# Altium PCB pixracer_pcb_layout_v1.PcbDoc (part 2 of 2)
Units mm, origin at the board's own origin, x right, y up, seen from the top; angles counter-clockwise.
Board outline 44.45 x 44.45 mm, 4 copper layers (Top Layer, Mid Layer 1, Mid Layer 2, Bottom Layer), stack 0.603 mm thick; 143 components, 140 nets, 575 pads, 194 vias.
Unrouted connection lines stored in the file: 12.
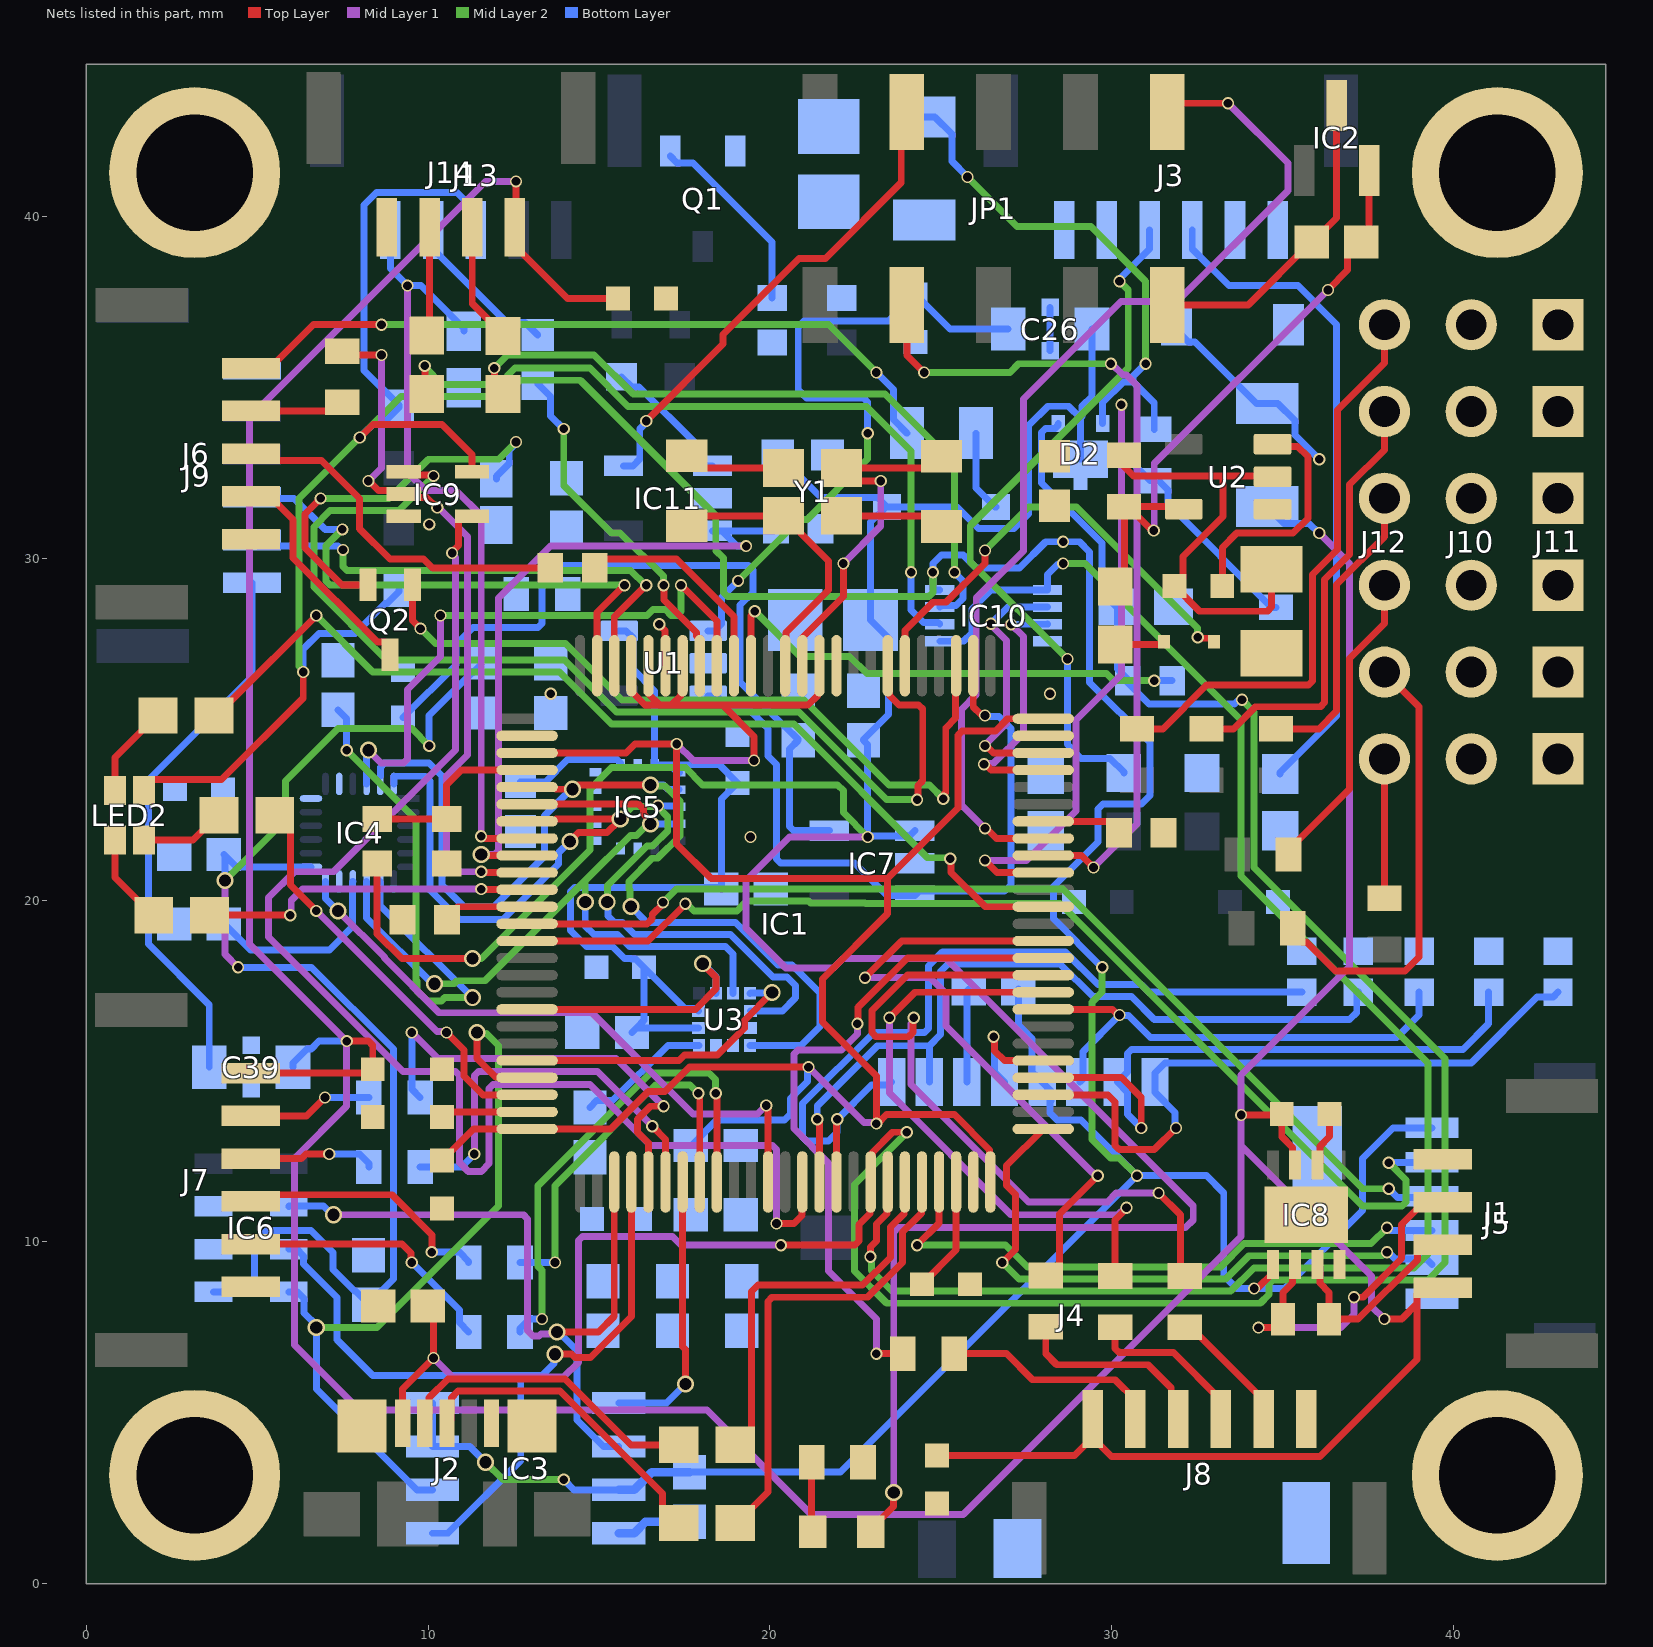
[diagram p4: the nets of this part, all layers, seen from the top]

## Via types
v1: diameter 0.356, hole 0.254, Top Layer to Bottom Layer, 166 vias
v2: diameter 0.5, hole 0.356, Top Layer to Bottom Layer, 28 vias

## Nets (pads, with @x,y where several pads share a name; then routed paths per layer and width w, separated by ;. In a path a pad name is that pad's centre, name@x,y a point inside that pad or via, vN(x,y) a via of type N, cw(c..) or ccw(c..) an arc to the next point about the centre after c; other vN are vias at no path point) (continued)
FMU_LED_BLUE: IC1.89 R50.2 | length 29.2
  Top Layer w0.203: R50.2@3.736,25.4 4.166,25.83 4.24,25.83 v1(6.731,28.321) ; v1(25.273,21.209) 25.302,21.18 25.302,20.808 26.306,19.804 IC1.89@27.997,19.804
  Mid Layer 2 w0.203: v1(6.731,28.321) 8.382,26.67 13.843,26.67 15.367,25.146 20.701,25.146 24.609,21.238 25.244,21.238 v1(25.273,21.209)
FMU_LED_GREEN: IC1.36 R51.2 | length 9.8
  Top Layer w0.203: R51.2@3.609,19.558 v1(5.969,19.558) ; v1(11.557,20.32) 11.573,20.304 IC1.36@12.897,20.304
  Mid Layer 1 w0.203: v1(5.969,19.558) 5.998,19.587 5.998,19.99 6.328,20.32 v1(11.557,20.32)
FMU_LED_RED: IC1.48 R52.2 | length 12.2
  Top Layer w0.203: R52.2@5.514,22.479 5.551,22.479 5.98,22.049 5.98,20.436 v1(6.731,19.685) ; v1(10.541,16.129) 11.049,15.621 11.049,14.859 11.604,14.304 IC1.48@12.897,14.304
  Mid Layer 1 w0.203: v1(6.731,19.685) 10.258,16.158 10.512,16.158 v1(10.541,16.129)
FMU_RC_INPUT: IC1.64 IC9.4 | length 42
  Top Layer w0.203: v1(10.705,30.15) 10.705,30.191 10.888,30.375 10.888,31.129 10.987,31.227 IC9.4@11.287,31.227 ; v1(20.193,10.541) 20.701,10.541 20.937,10.777 20.937,11.744 IC1.64@20.947,11.754
  Mid Layer 1 w0.203: v1(10.705,30.15) 10.705,30.108 10.797,30.016 10.797,24.386 7.239,20.828 6.088,20.828 5.334,20.074 5.334,18.923 9.271,14.986 10.805,14.986 10.924,14.867 10.924,12.317 11.176,12.065 11.557,12.065 11.782,12.29 11.782,14.486 11.901,14.605 14.732,14.605 16.51,12.827 20.074,12.827 20.193,12.708 v1(20.193,10.541)
FMU_SWCLK: IC1.76 J1.5 | length 17.9
  Top Layer w0.203: v1(26.797,9.398) 27.178,9.779 27.178,11.393 26.924,11.647 26.924,12.231 IC1.76@27.997,13.304
  Mid Layer 2 w0.203: v1(26.797,9.398) 27.283,8.912 33.333,8.912 34.016,9.596 37.903,9.596 38.008,9.7 v1(38.049,9.7)
  Bottom Layer w0.203: v1(38.049,9.7) 38.09,9.7 38.291,9.5 39.205,9.5 J1.5@39.37,9.335
FMU_SWDIO: IC1.72 J1.4 | length 18
  Top Layer w0.203: v1(24.305,9.906) 24.947,10.548 IC1.72@24.947,11.754
  Mid Layer 2 w0.203: v1(24.305,9.906) 26.896,9.906 27.537,9.265 33.187,9.265 33.87,9.949 37.584,9.949 v1(38.049,10.414)
  Bottom Layer w0.203: v1(38.049,10.414) 38.09,10.414 38.169,10.335 J1.4@39.37,10.335
FMU_UART7_RX: IC1.38 J1.3 | length 30.7
  Top Layer w0.203: IC1.38@12.897,19.304 16.409,19.304 16.558,19.453 16.558,19.574 16.875,19.891 v1(16.875,19.932)
  Mid Layer 2 w0.203: v1(16.875,19.932) 17.262,20.32 26.701,20.32 28.566,20.32 37.329,11.557 v1(38.1,11.557)
  Bottom Layer w0.203: v1(38.1,11.557) 38.354,11.303 39.338,11.303 J1.3@39.37,11.335
FMU_UART7_TX: IC1.39 J1.2 | length 32.7
  Top Layer w0.203: IC1.39@12.897,18.804 16.44,18.804 v1(17.526,19.89)
  Mid Layer 2 w0.203: v1(17.526,19.89) 17.555,19.861 17.604,19.861 17.78,19.685 19.031,19.685 19.313,19.967 21.133,19.967 21.191,19.909 22.784,19.909 22.793,19.9 28.487,19.9 37.338,11.049 38.489,11.049 38.608,11.168 38.608,11.811 v1(38.1,12.319)
  Bottom Layer w0.203: v1(38.1,12.319) 38.108,12.327 39.362,12.327 J1.2@39.37,12.335
FMU_USART1_RX: IC1.93 JP1.1 | length 30.8
  Top Layer w0.203: v1(26.289,22.098) 26.33,22.098 26.624,21.804 IC1.93@27.997,21.804 ; JP1.1@31.623,43.053 31.877,43.307 v1(33.401,43.307)
  Mid Layer 1 w0.203: v1(26.289,22.098) 25.606,22.781 25.606,25.578 26.035,26.007 26.035,28.829 27.411,30.205 27.411,34.65 30.265,37.504 31.907,37.504 35.151,40.748 35.151,41.557 v1(33.401,43.307)
FMU_USART1_TX: IC1.92 JP1.8 | length 25
  Top Layer w0.203: JP1.8@24.003,37.403 24.003,35.933 24.503,35.433 v1(24.511,35.433) ; IC1.92@27.997,21.304 29.115,21.304 v1(29.464,20.955)
  Mid Layer 1 w0.203: v1(29.464,20.955) 30.734,22.225 30.734,35.052 30.431,35.355 30.322,35.355 29.99,35.687 v1(29.972,35.687)
  Mid Layer 2 w0.203: v1(24.511,35.433) 27.021,35.433 27.275,35.687 v1(29.972,35.687)
FMU_USART2_CTS: IC1.84 R30.1 | length 17.6
  Top Layer w0.203: v1(23.495,16.558) 24.241,17.304 IC1.84@27.997,17.304 ; R30.1@30.099,9.005 30.099,10.648 30.43,10.98 v1(30.43,10.999)
  Mid Layer 1 w0.203: v1(23.495,16.558) 23.494,14.352 27.051,10.795 30.185,10.795 30.389,10.999 v1(30.43,10.999)
FMU_USART2_RTS: IC1.85 R31.1 | length 21.3
  Top Layer w0.203: v1(24.209,16.558) 24.179,16.529 24.179,16.121 24.06,16.002 23.106,16.002 22.987,16.121 22.987,16.764 24.027,17.804 IC1.85@27.997,17.804 ; v1(31.369,11.43) 32.004,10.795 32.004,9.132 R31.1@32.131,9.005
  Mid Layer 1 w0.203: v1(24.209,16.558) 24.179,16.529 24.179,16.432 24.13,16.383 24.13,14.605 27.562,11.174 29.87,11.174 30.127,11.43 v1(31.369,11.43)
FMU_USART2_RX: IC1.87 R29.1 | length 19.1
  Top Layer w0.203: v1(22.783,17.73) 23.856,18.804 IC1.87@27.997,18.804 ; R29.1@28.067,9.017 28.192,9.017 28.466,9.29 28.466,10.813 v1(29.591,11.938)
  Mid Layer 1 w0.203: v1(22.783,17.73) 24.688,17.73 25.146,17.272 25.146,16.311 29.442,12.014 29.473,12.014 29.55,11.938 v1(29.591,11.938)
FMU_USART2_TX: IC1.86 R28.1 | length 19.4
  Top Layer w0.203: v1(22.558,16.383) 22.58,16.406 22.58,16.865 24.019,18.304 IC1.86@27.997,18.304 ; v1(23.114,6.731) R28.1@23.888,6.731
  Mid Layer 1 w0.203: v1(22.558,16.383) 22.558,16.081 22.098,15.621 20.82,15.621 20.701,15.502 20.701,13.317 21.717,12.301 21.717,9.144 23.114,7.747 v1(23.114,6.731)
FMU_USART3_CTS: IC1.58 R26.1 | length 11.4
  Top Layer w0.203: v1(17.907,14.351) 17.907,14.337 17.947,14.297 IC1.58@17.947,11.754
  Mid Layer 2 w0.203: v1(13.716,9.398) 13.716,11.644 16.657,14.585 17.659,14.585 17.893,14.351 v1(17.907,14.351)
  Bottom Layer w0.203: R26.1@12.688,9.398 v1(13.716,9.398)
FMU_USART3_RTS: IC1.59 R27.1 | length 14.5
  Top Layer w0.203: v1(18.415,14.351) 18.415,14.337 18.447,14.305 IC1.59@18.447,11.754
  Mid Layer 2 w0.203: v1(13.335,7.747) 13.335,9.172 13.208,9.299 13.208,11.635 16.511,14.938 18.217,14.938 18.405,14.751 18.405,14.361 v1(18.415,14.351)
  Bottom Layer w0.203: R27.1@12.688,7.366 12.688,7.474 12.962,7.747 v1(13.335,7.747)
FMU_USART3_RX: IC1.56 R25.1 | length 11.7
  Top Layer w0.203: v1(16.56,13.385) 16.947,12.997 IC1.56@16.947,11.754
  Mid Layer 1 w0.203: v1(11.353,12.573) 11.353,14.867 11.472,14.986 14.958,14.986 v1(16.56,13.385)
  Bottom Layer w0.203: R25.1@9.767,12.192 10.972,12.192 v1(11.353,12.573)
FMU_USART3_TX: IC1.55 R24.1 | length 13.2
  Top Layer w0.203: IC1.55@16.447,11.754 16.447,12.89 16.129,13.208 16.129,13.589 16.51,13.97 v1(16.891,13.97)
  Mid Layer 1 w0.203: v1(9.525,16.129) 9.534,16.129 10.296,15.367 15.494,15.367 v1(16.891,13.97)
  Bottom Layer w0.203: v1(9.525,16.129) 9.525,14.466 R24.1@9.767,14.224
FMU_USART4_RX: IC1.24 J9.3 | length 16.2
  Top Layer w0.203: IC1.24@14.947,26.854 14.947,28.409 v1(15.748,29.21)
  Mid Layer 2 w0.203: v1@7.483,30.832 7.015,30.364 7.015,29.329 7.134,29.21 v1(15.748,29.21)
  Bottom Layer w0.203: J9.3@4.851,31.782 4.883,31.75 6.085,31.75 6.993,30.842 v1(7.493,30.842)
FMU_USART4_TX: IC1.23 J9.2 | length 15.1
  Top Layer w0.203: IC1.23@15.447,26.854 15.447,28.274 v1(16.383,29.21)
  Mid Layer 2 w0.203: v1(7.511,30.244) 7.511,29.76 7.63,29.641 15.927,29.641 16.358,29.21 v1(16.383,29.21)
  Bottom Layer w0.203: J9.2@4.851,30.532 5.03,30.353 7.366,30.353 7.465,30.254 7.501,30.254 v1(7.511,30.244)
FMU_USART8_RX: IC1.97 IC10.3 | length 7.7
  Top Layer w0.203: v1(26.264,23.973) 26.305,23.973 26.474,23.804 IC1.97@27.997,23.804
  Mid Layer 1 w0.203: v1(26.264,23.973) 26.293,24.002 26.542,24.002 27.411,24.871 27.411,27.707 v1(27.054,28.064)
  Bottom Layer w0.203: v1(27.054,28.064) 27.058,28.067 28.114,28.067 IC10.3@28.118,28.071
FMU_USART8_TX: IC1.98 IC10.2 | length 7.7
  Top Layer w0.203: v1(26.289,24.511) 26.33,24.511 26.537,24.304 IC1.98@27.997,24.304
  Mid Layer 1 w0.203: v1(26.289,24.511) 26.289,24.531 26.924,25.166 26.924,27.587 26.625,27.886 ; v1(26.464,28.082) 26.464,28.046 26.625,27.886
  Bottom Layer w0.203: v1(26.464,28.082) 26.958,28.575 28.114,28.575 IC10.2@28.118,28.571
FMU_VBAT: C16.1 D1.1 IC1.6 | length 13.6
  Top Layer w0.203: IC1.6@23.947,26.854 23.947,27.884 24.774,28.711 25.155,28.711 26.289,29.845 v1(26.289,30.226) ; v1(32.512,27.686) 32.541,27.657 32.885,27.657 D1.1@32.983,27.559
  Mid Layer 2 w0.203: v1(26.289,30.226) 27.559,31.496 28.964,31.496 29.083,31.377 32.505,27.955 32.505,27.693 v1(32.512,27.686)
FMU_VDD_3V3: C5.1 C6.1 C15.1 C35.1 IC2.2 IC3.3 IC3.7 IC3.8 IC8.5 IC9.5 IC10.8 J1.1 J4.4 J13.3 LED2.4 R3.2 R4.1 R32.1 R33.1 U2.5 | length 152.4
  Top Layer w0.203: LED2.4@1.695,23.204 1.695,23.304 1.919,23.527 3.961,23.527 6.35,25.917 v1(6.35,26.67) ; v1(8.001,33.528) 8.015,33.528 8.396,33.909 10.409,33.909 11.287,33.031 IC9.5@11.287,32.527 ; R4.1@30.099,29.172 30.367,29.44 R3.2@30.367,31.508 ; R3.2@30.353,31.508 R3.2@30.478,31.508 ; v1(31.228,30.808) 31.178,30.808 R3.2@30.478,31.508 ; U2.5@32.101,31.435 32.028,31.508 R3.2@30.478,31.508 ; v1(34.163,8.636) 34.173,8.646 34.263,8.646 34.712,9.095 IC8.5@34.712,9.345 ; v1(36.322,37.846) 36.9,38.424 36.9,38.86 37.283,39.243 C6.1@37.302,39.243 37.526,39.467 IC2.2@37.526,41.341
  Mid Layer 1 w0.203: v1@31.242,30.808 31.242,32.766 v1(36.322,37.846)
  Mid Layer 2 w0.203: v1(6.35,26.67) 6.35,26.711 6.223,26.838 6.223,31.75 v1(8.001,33.528) 9.204,34.731 12.221,34.731 12.695,35.205 14.452,35.205 18.415,31.242 18.415,30.226 18.641,30 18.641,28.996 18.76,28.877 24.646,28.877 24.765,28.996 v1@24.765,29.577 ; v2(11.684,3.556) 12.192,3.048 v1(13.97,3.048) ; v1(29.718,18.034) 29.718,17.314 29.416,17.011 29.416,13.002 29.957,12.461 30.211,12.461 v1(30.734,11.938)
  Bottom Layer w0.203: v1(6.35,26.67) 6.35,27.345 6.805,27.799 7.871,27.799 8.745,28.673 8.795,28.673 9.144,29.022 R32.1@9.144,29.072 ; v1(8.001,33.528) 8.535,34.062 8.795,34.062 9.144,34.411 9.144,34.478 8.128,35.494 8.128,40.335 8.494,40.701 10.847,40.701 11.398,40.149 J13.3@11.398,39.599 ; IC3.8@10.128,5.29 IC3.7@10.128,4.02 11.22,4.02 v2(11.684,3.556) ; v1(13.97,3.048) 14.268,2.75 IC3.3@15.578,2.75 ; C5.1@17.653,3.266 22.062,3.266 v1(30.734,11.938) ; IC10.8@24.968,29.071 24.813,29.071 24.765,29.119 v1(24.765,29.591) 24.765,29.845 25.019,30.099 25.654,30.099 26.035,29.718 27.305,29.718 28.067,30.48 v1(28.575,30.48) 29.058,30.48 29.354,30.184 29.354,26.362 31.111,24.605 31.111,23.052 30.873,22.815 29.743,22.815 29.595,22.668 29.595,21.699 28.289,20.393 28.289,19.463 v1(29.718,18.034) ; C35.1@27.269,17.399 27.269,16.344 27.663,15.949 27.663,14.977 J4.4@27.962,14.678 28.223,14.417 J4.4@28.223,14.117 ; J4.4@28.194,14.117 28.194,13.769 28.395,13.568 29.104,13.568 v1(30.734,11.938) ; J1.1@39.37,13.335 38.227,13.335 37.338,12.446 37.338,10.922 35.052,8.636 v1(34.163,8.636) 33.655,8.636 33.274,9.017 33.274,11.43 32.766,11.938 v1(30.734,11.938)
  Bottom Layer w0.254: IC3.3@15.578,2.75 16.029,2.75 16.544,3.266 C5.1@17.653,3.266
FRAM_CS: IC1.57 IC3.1 | length 8.1
  Top Layer w0.203: IC1.57@17.447,11.754 17.447,6.937 17.526,6.858 v2(17.526,5.842)
  Bottom Layer w0.203: IC3.1@15.578,5.29 16.974,5.29 v2(17.526,5.842)
FRAM_MISO: IC1.53 IC3.2 IC6.6 | length 21.6
  Top Layer w0.203: v2(13.77,7.366) 14.986,7.366 15.447,7.827 IC1.53@15.447,11.754
  Mid Layer 1 w0.203: v2(7.239,10.795) 12.787,10.795 12.906,10.676 12.906,7.414 13.073,7.247 13.241,7.247 13.303,7.309 13.713,7.309 v2(13.77,7.366)
  Bottom Layer w0.203: IC6.6@5.926,11.039 5.936,11.049 6.944,11.049 7.198,10.795 v2(7.239,10.795) ; v2(13.77,7.366) 13.796,7.366 13.933,7.229 13.943,7.229 14.351,6.821 14.351,4.797 15.128,4.02 IC3.2@15.578,4.02
FRAM_MOSI: IC1.54 IC3.5 IC6.7 | length 23.2
  Top Layer w0.203: v2(13.716,6.716) 13.725,6.725 14.198,6.725 14.3,6.623 14.751,6.623 15.947,7.819 IC1.54@15.947,11.754
  Bottom Layer w0.203: IC6.7@5.926,9.789 6.165,9.789 6.363,9.591 6.363,9.352 7.338,8.377 7.338,7.14 8.382,6.096 12.712,6.096 ; IC3.5@10.128,1.48 10.579,1.48 12.712,3.613 12.712,6.096 ; v2(13.716,6.716) 13.687,6.687 13.687,6.448 13.335,6.096 12.712,6.096
FRAM_SCK: IC1.47 IC3.6 IC6.8 | length 22.6
  Top Layer w0.203: v2(11.43,16.129) 11.43,15.367 11.974,14.823 12.878,14.823 IC1.47@12.897,14.804
  Mid Layer 2 w0.203: v2(6.731,7.493) 8.509,7.493 12.065,11.049 12.065,15.748 11.713,16.1 11.459,16.1 v2(11.43,16.129)
  Bottom Layer w0.203: IC6.8@5.926,8.539 6.176,8.539 6.375,8.341 6.375,7.921 v2@6.731,7.564 ; v2(6.731,7.493) 6.731,5.697 9.678,2.75 IC3.6@10.128,2.75
FrSky_IN: J14.3 R23.1 | length 3.2
  Top Layer w0.203: R23.1@9.96,36.51 10.043,36.594 J14.3@10.043,39.678
FrSky_INV: IC1.69 IC10.1 IC10.5 | length 50
  Top Layer w0.203: v1(22.939,9.567) 22.939,9.858 23.114,10.034 23.114,10.523 23.428,10.838 23.428,11.735 IC1.69@23.447,11.754
  Mid Layer 2 w0.203: v1(22.939,9.567) 22.968,9.538 22.968,9.163 23.572,8.56 33.479,8.56 34.163,9.243 38.834,9.243 39.243,9.652 39.243,15.24 33.782,20.701 33.782,25.273 29.21,29.845 v1(28.575,29.845)
  Bottom Layer w0.203: IC10.5@24.968,27.571 25.666,27.571 25.908,27.813 25.908,28.511 26.468,29.071 IC10.1@28.118,29.071 28.118,29.525 28.408,29.816 28.546,29.816 v1(28.575,29.845)
FrSky_OUT: J14.2 R22.1 | length 3.5
  Top Layer w0.203: J14.2@11.293,39.678 11.293,37.448 12.192,36.549 R22.1@12.192,36.5
GND: C1.1 C2.1 C3.2 C4.1 C5.2 C6.2 C7.1 C8.1 C9.1 C10.1 C11.1 C12.1 C13.1 C14.1 C15.2 C16.2 C17.1 C18.1 C19.1 C20.1 C21.1 C22.1 C23.1 C24.2 C25.2 C27.2 C28.1 C29.2 C30.1 C31.1 C32.1 C33.2 C34.2 C35.2 C36.1 C37.2 C38.2 C39.3 C39.4 C40.2 C41.2 C42.2 C43.2 C44.2 C45.2 C46.1 C47.1 C48.1 D3.2 IC1.10 IC1.20 IC1.27 IC1.74 IC1.99 IC2.3 IC3.4 IC4.11 IC4.18 IC4.20 IC5.7 IC5.8 IC5.9 IC5.10 IC5.11 IC5.12 IC5.13 IC5.15 IC6.2 IC6.3 IC7.2 IC8.2 IC8.8 IC8.9 IC9.3 IC10.4 IC11.2 J1.6 J2.5 J2.6 J2.7 J3.5 J3.6 J4.6 J4.G1 J4.G2 J4.G3 J5.4 J6.5 J7.6 J8.6 J9.6 J11.1 J11.2 J11.3 J11.4 J11.5 J11.6 J14.4 JP1.2 pad.1 pad.2 pad.3 pad.4 Q1.2 R1.2 R2.2 R3.1 R5.1 R10.2 R11.2 R13.2 R40.2 R43.2 R45.2 R46.2 R49.2 R53.2 U1.2 U2.2 U3.2 U3.3 U3.12 Y1.2 Y1.4 | length 35.8
  Top Layer w0.203: v1(16.764,28.067) 16.764,28.053 16.928,27.889 16.928,26.873 IC1.20@16.947,26.854 ; C4.1@17.567,33 17.928,32.639 Y1.4@20.398,32.639 ; Y1.2@22.098,31.239 24.711,31.239 C3.2@25.022,30.928 ; R3.1@30.344,32.702 30.641,32.406 33.253,32.406 ; JP1.2@31.623,37.403 33.991,37.403 35.831,39.243 C6.2@35.85,39.243 35.869,39.243 36.576,39.95 IC2.3@36.576,43.241 ; C16.2@34.671,29.673 34.671,28.567 34.552,28.448 32.565,28.448 C14.1@31.831,29.182 32.08,29.43 32.08,30.048 33.253,31.221 33.253,32.406 ; U2.2@34.701,32.385 34.68,32.406 33.253,32.406 ; IC8.2@36.012,12.245 36.086,12.318 36.086,12.799 36.37,13.084 C36.1@36.37,13.738
  Bottom Layer w0.203: J4.6@25.762,14.678 25.762,17.344 C35.2@25.817,17.399
  Bottom Layer w0.254: IC3.4@15.578,1.48 16.029,1.48 16.362,1.814 C5.2@17.653,1.814
  other v1: 19.431,21.844 13.589,26.035 28.194,26.035 10.033,30.988
LED_SAFETY: IC1.18 R41.1 | length 10.4
  Top Layer w0.203: v1(16.891,29.21) 16.901,29.2 16.901,28.78 17.849,27.833 17.849,27.729 17.947,27.63 IC1.18@17.947,26.854
  Mid Layer 2 w0.203: v1(13.97,33.782) 13.97,32.131 15.362,30.739 15.616,30.739 16.881,29.474 16.881,29.22 v1(16.891,29.21)
  Bottom Layer w0.203: R41.1@13.208,35.099 13.222,35.099 13.588,34.733 13.588,34.164 v1(13.97,33.782)
MPU9250_CS: IC1.17 IC4.22 | length 17.7
  Top Layer w0.203: v1(17.399,29.21) 18.447,28.162 IC1.17@18.447,26.854
  Mid Layer 1 w0.203: v2(8.255,24.384) 8.255,24.376 8.628,24.003 9.279,24.003 9.398,24.122 9.398,26.162 10.366,27.13 v1(10.366,28.321)
  Mid Layer 2 w0.203: v1(10.366,28.321) 16.411,28.321 16.586,28.496 16.942,28.496 17.112,28.326 17.28,28.326 17.399,28.445 v1(17.399,29.21)
  Bottom Layer w0.203: IC4.22@8.201,23.397 8.201,24.316 8.255,24.37 v2(8.255,24.384)
MPU9250_DRDY: IC1.62 IC4.12 | length 18.4
  Top Layer w0.203: v1(19.891,13.992) 19.891,13.951 19.947,13.894 IC1.62@19.947,11.754
  Mid Layer 1 w0.203: v2(7.366,19.685) 8.721,18.33 8.721,18.309 10.325,16.705 14.791,16.705 17.752,13.744 19.642,13.744 v1(19.891,13.992)
  Bottom Layer w0.203: IC4.12@7.001,20.545 7.006,20.54 7.006,20.045 v2(7.366,19.685)
MPU9250_MISO: IC1.31 IC4.9 IC5.4 U3.9 | length 24.1
  Top Layer w0.203: IC1.31@12.897,22.804 16.161,22.804 16.297,22.668 16.297,22.518 16.51,22.305 v2(16.51,22.225)
  Mid Layer 2 w0.203: v2(10.186,17.552) 10.755,17.552 10.842,17.639 11.67,17.639 14.597,20.566 ; v2(14.597,19.939) 14.597,20.566 ; v2(16.51,22.225) 16.43,22.225 16.093,21.888 15.919,21.888 14.597,20.566
  Bottom Layer w0.203: IC4.9@8.201,20.545 8.201,19.476 10.125,17.552 v2(10.186,17.552) ; v2(14.597,19.939) 14.597,19.242 14.851,18.989 15.547,18.989 15.894,18.641 18.701,18.641 18.919,18.423 U3.9@18.919,17.273 ; v2(16.51,22.225) 16.514,22.229 17.35,22.229 IC5.4@17.354,22.225
MPU9250_MOSI: IC1.32 IC4.24 IC5.3 U3.11 | length 28.8
  Top Layer w0.203: IC1.32@12.897,22.304 13.673,22.304 13.744,22.375 v2(15.621,22.375) ; v2(14.148,21.717) 14.402,21.971 15.24,21.971 v2@15.582,22.313
  Mid Layer 2 w0.203: v2(15.24,19.939) 15.252,19.951 15.252,20.421 16.406,21.576 16.57,21.576 17.012,22.017 17.012,22.435 16.727,22.719 v1(16.727,22.761) ; v2(15.621,22.375) 15.979,22.733 16.711,22.733 v1@16.718,22.727
  Bottom Layer w0.203: IC4.24@9.001,23.397 9.001,23.617 9.006,23.622 9.914,23.622 10.059,23.477 10.059,20.294 10.922,19.431 12.192,19.431 12.7,19.939 12.7,19.942 13.815,21.057 13.815,21.384 v2(14.148,21.717) ; v2(15.24,19.939) 15.269,19.91 15.269,19.531 15.458,19.342 15.693,19.342 16.04,18.994 18.847,18.994 20.091,17.75 20.498,17.75 20.749,17.498 20.749,17.143 20.367,16.76 U3.11@19.432,16.76 ; v1(16.727,22.761) 16.741,22.747 17.34,22.747 IC5.3@17.354,22.733
MPU9250_SCK: IC1.30 IC4.23 IC5.2 U3.1 | length 30.9
  Top Layer w0.203: IC1.30@12.897,23.304 13.673,23.304 13.736,23.241 v2(14.224,23.241) 14.265,23.241 14.392,23.368 v2(16.51,23.368)
  Mid Layer 2 w0.203: v2(15.932,19.812) 15.903,19.841 15.903,20.289 15.875,20.317 15.875,20.545 16.553,21.223 16.716,21.223 17.364,21.871 17.364,22.903 16.928,23.339 16.539,23.339 v2(16.51,23.368)
  Bottom Layer w0.203: IC4.23@8.606,23.626 8.606,23.884 8.725,24.003 10.032,24.003 10.058,23.977 10.061,23.977 10.414,23.624 10.414,20.447 11.057,19.804 11.93,19.804 13.408,21.282 13.408,22.466 14.183,23.241 v2(14.224,23.241) ; v2(15.932,19.812) 16.397,19.347 18.994,19.347 20.238,18.103 20.644,18.103 21.463,17.284 21.463,16.296 20.915,15.747 U3.1@19.419,15.747 ; v2(16.51,23.368) 16.891,23.368 17.026,23.233 IC5.2@17.346,23.233
NetC1_2: C1.2 IC1.49 | length 2.5
  Top Layer w0.203: C1.2@10.414,13.651 10.567,13.804 IC1.49@12.897,13.804
NetC2_2: C2.2 C8.2 C9.2 C10.2 C11.2 C12.2 C13.2 IC1.11 IC1.19 IC1.21 IC1.22 IC1.28 IC1.50 IC1.75 IC1.100 | length 69
  Top Layer w0.203: C12.2@10.414,12.384 11.334,13.304 IC1.50@12.897,13.304 15.345,13.304 16.44,14.399 16.931,14.399 17.644,15.113 v1(21.13,15.113) ; IC1.28@12.897,24.304 15.795,24.304 16.058,24.567 v1(17.272,24.567) 17.272,21.641 18.283,20.63 23.443,20.63 ; IC1.22@15.947,26.854 15.947,26.104 16.349,25.702 16.781,25.702 ; IC1.21@16.447,26.854 16.466,26.835 16.466,26.018 16.781,25.702 ; IC1.19@17.447,26.854 17.447,26.078 17.399,26.029 17.399,25.988 17.113,25.702 ; v1(19.533,24.08) 19.533,24.79 18.621,25.702 ; IC1.11@21.447,26.854 21.447,26.078 21.399,26.029 21.399,25.988 21.113,25.702 18.621,25.702 ; IC1.75@26.447,11.754 26.428,11.773 26.428,12.688 25.394,13.722 23.415,13.722 23.155,13.462 v1(23.114,13.462) 23.114,14.85 21.536,16.428 21.536,17.693 23.443,19.599 23.443,20.63 ; IC1.100@27.997,25.304 26.955,25.304 26.591,24.94 25.618,24.94 25.499,24.822 25.499,22.686 23.443,20.63 ; 16.781,25.702 17.113,25.702 ; 17.113,25.702 18.621,25.702
  Mid Layer 1 w0.203: v1(17.272,24.567) 17.759,24.08 v1(19.533,24.08) ; v1(21.13,15.113) 22.752,13.491 23.085,13.491 v1(23.114,13.462)
  Bottom Layer w0.203: C2.2@17.689,12.827 17.708,12.827 18.444,13.563 20.421,13.563 20.602,13.744 20.602,14.192 21.101,14.691 21.101,15.084 v1(21.13,15.113)
NetC7_2: C7.2 IC1.73 | length 3.4
  Top Layer w0.203: C7.2@24.446,8.763 25.447,9.764 IC1.73@25.447,11.754
NetC19_2: C19.2 IC4.10 | length 5.7
  Bottom Layer w0.203: C19.2@4.028,19.304 4.047,19.304 4.809,18.542 7.112,18.542 7.796,19.226 7.796,20.54 IC4.10@7.801,20.545
NetC24_1: C24.1 IC5.14 | length 3.3
  Bottom Layer w0.203: C24.1@12.7,23.46 13.436,23.46 14.085,24.11 15.528,24.11 15.629,24.008 IC5.14@15.629,23.958